# KiCad board vault35-katana-original.kicad_pcb (continued)
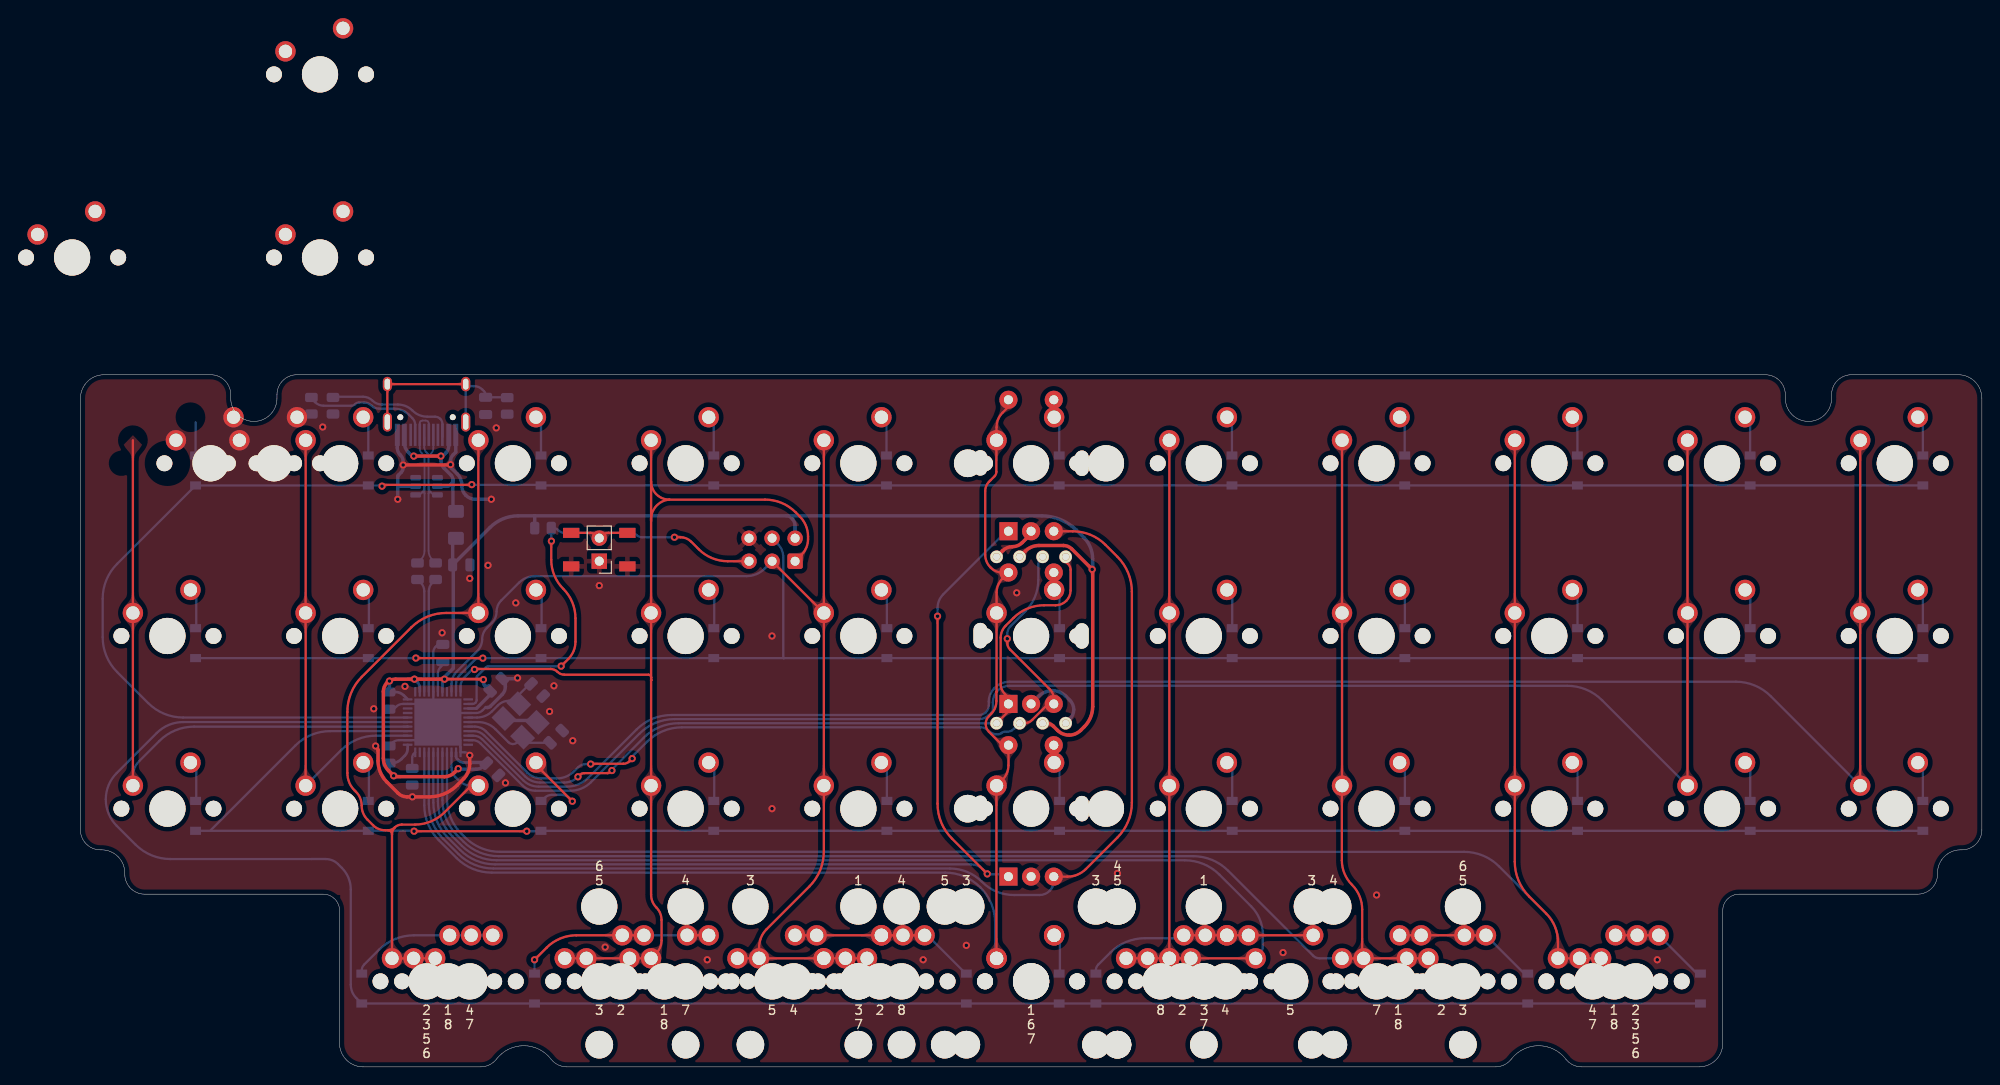
[diagram p0: board, top side]
## Routing (per net, layer and track width the routed paths; a pad name or vN(x,y) marks a point on that pad's centre or on a via; arc(x,y) is an arc through that point)
+5V: length 179.6
  Top w0.305: v1(40.15,42.77) 44.36,42.77 arc(44.39,42.76) 44.42,42.75 v1(44.44,42.72)
  Top w0.381: v1(40.15,42.77) v1(36.83,42.77) 34.76,42.77 arc(34.25,42.67) 33.81,42.37 arc(33.51,41.93) 33.41,41.41 33.41,34.05 arc(33.56,33.31) 33.98,32.68 v1(34.54,32.11) 34.59,32.06 arc(34.65,32.02) 34.71,32.01 40.16,32.01 arc(40.74,32.13) 41.23,32.45 v1(41.67,32.89) ; OL2.3 104.2,56.89 arc(104.89,57.35) 105.71,57.51 108.41,57.51 arc(108.91,57.42) 109.32,57.14 111.58,54.88 v1(111.58,54.88) 111.61,54.85 arc(111.63,54.82) 111.64,54.78 111.64,39.76 arc(111.4,38.55) 110.71,37.52 110.32,37.13 arc(109.73,36.73) 109.03,36.6 arc(108.34,36.73) 107.75,37.13 107.27,37.61 arc(106.94,37.83) 106.54,37.91
  Bottom w0.305: v1(36.83,42.77) 37.14,42.46 arc(37.35,42.15) 37.42,41.78 U2.2 ; C9.1 34.71,41.36 arc(35.24,41.25) 35.68,40.96 36.09,40.55 ; 36.09,35.52 36.09,35.08 arc(36,34.68) 35.78,34.33 35.39,33.95 arc(34.89,33.62) 34.31,33.5 ; v1(40.15,42.77) 40.04,42.66 arc(39.95,42.53) 39.92,42.38 U2.7 ; U2.24 41.42,34.27 arc(41.46,34.09) 41.56,33.94 41.67,33.83 arc(41.95,33.64) 42.28,33.58 42.97,33.58 ; 43.67,39.54 U2.14
  Bottom w0.381: v1(41.67,32.89) 41.69,32.87 arc(41.72,32.85) 41.76,32.84 43.64,32.84 arc(44.07,32.92) 44.44,33.17 ; 77.86,60.79 78.17,60.79 78.56,60.39 arc(78.74,60.07) 78.81,59.71 78.81,58.32 ; 43.69,39.56 45.18,41.05 ; 111.63,54.7 111.63,56.06 arc(111.38,57.32) 110.67,58.38 109.85,59.19 arc(108.09,60.37) 106.01,60.79 50.1,60.79 ; 44.38,33.58 42.93,33.58 ; v1(34.08,42.56) 34.08,41.42 ; 50.09,60.79 48.28,60.79 arc(46.6,60.45) 45.17,59.5 C5.1 41.05,57.93 ; 50.09,60.79 50.1,60.79 ; 50.09,60.79 arc(50.09,60.79) 50.1,60.78 ; R1.2 50.1,60.77 arc(50.1,60.78) 50.1,60.78 ; 40.15,42.9 v1(40.15,42.77) 40.15,42.88 arc(40.17,42.98) 40.23,43.07 41.1,43.94 ; v1(34.54,32.11) 34.28,32.37 arc(34.08,32.67) 34.02,33.01 34.02,33.48 ; C7.1 44.62,42.03 arc(44.49,42.23) 44.44,42.47 v1(44.44,42.72) ; 50.1,60.79 arc(50.1,60.79) 50.1,60.78 ; 41.12,55.31 41.12,43.99
GND: length 83.9
  Top w0.381: v1(35.59,66.4) 40.75,66.4 arc(40.78,66.4) 40.8,66.42 v1(40.82,66.44) ; v1(42.93,34.37) 42.93,33.41 arc(42.76,32.52) 42.26,31.77 41.56,31.08 arc(40.13,30.12) 38.44,29.78 v1(36.61,29.78) 36.02,29.78 arc(35.48,29.89) 35.02,30.2 33.79,31.43 arc(33.07,32.5) 32.82,33.76 32.82,34.94 arc(32.79,35.11) 32.69,35.26 v1(32.56,35.39) ; 104.85,58.81 103.87,57.83 arc(103.37,57.5) 102.79,57.38 arc(102.2,57.26) 101.71,56.93 OL2.4
  Bottom w0.254: 41.58,39.04 U2.15 43.63,39.04 arc(44.02,39.11) 44.36,39.34 44.66,39.64 ; 38.91,41.38 38.91,45.72 arc(38.98,46.06) 39.17,46.35 39.43,46.61 ; 37.42,40.04 U2.43 35.55,40.04 arc(35.16,39.96) 34.83,39.74 34.53,39.44 ; v1(42.93,34.37) 42.77,34.53 arc(42.59,34.66) 42.37,34.7 U2.23 41.92,35.27 arc(41.92,35.28) 41.91,35.3 arc(41.9,35.31) 41.9,35.33 41.9,35.99 arc(41.77,36.61) 41.42,37.14 ; 38.92,38.54 U2.5 ; 37.43,36.04 35.13,36.04 arc(34.7,35.95) 34.34,35.71
  Bottom w0.381: C7.2 48.07,42.82 arc(48.12,42.83) 48.16,42.86 v1(48.2,42.9) ; 104.85,40.03 105.7,40.89 arc(106.39,41.34) 107.19,41.5 arc(108,41.34) 108.68,40.89 109.12,40.45 arc(109.44,39.97) 109.55,39.41 arc(109.44,38.85) 109.12,38.37 OL1.4 ; 35,64.03 35,64.04 ; 35,64.03 v1(35,62.61) ; 35,64.03 arc(35,64.04) 35,64.04 ; 35,64.04 35,65.15 arc(35.01,65.2) 35.03,65.24 35.38,65.58 arc(35.53,65.82) 35.59,66.1 v1(35.59,66.4) 35.59,66.79 arc(35.52,67.15) 35.31,67.46 35.27,67.5 arc(35.03,67.86) 34.95,68.28 USB1.1 ; 35,64.04 arc(35,64.04) 35,64.04 ; U1.2 35.01,64.04 arc(35,64.04) 35,64.04 ; 47.76,38.22 50.18,38.22 ; v1(45.31,62.61) 43.55,62.61 arc(42.98,62.73) 42.5,63.05 arc(42.17,63.53) 42.06,64.1 42.06,64.2 arc(41.93,64.85) 41.56,65.41 40.92,66.04 arc(40.85,66.16) 40.82,66.29 v1(40.82,66.44) 40.82,66.84 arc(40.89,67.21) 41.1,67.52 41.39,67.8 ; 41.4,67.8 41.4,69.5 ; 44.72,39.64 44.9,39.64 arc(45.06,39.67) 45.2,39.77 46.51,41.07 arc(46.77,41.47) 46.86,41.93 46.86,42.43
  vias: v1(26.72,70.58) v1(32.35,39.5) v1(35.79,41.98) v1(39.89,47.88) v1(42.93,53.88) v1(44.95,55.33) v1(45.86,70.49) v1(46.87,31.33) v1(48.01,51.18) v1(51.74,39.2) v1(52.22,42.03) v1(54.29,35.98) v1(57.22,53.09) v1(57.87,13.21) v1(69.13,11.81) v1(76.27,47.53) v1(76.27,28.48) v1(92.94,11.81) v1(97.7,13.4) v1(103.26,52.29) v1(114.37,21.34) v1(132.63,12.61) v1(142.95,18.96) v1(173.9,11.81)
VCC: length 16.1
  Top w0.381: v1(36.76,67.38) v1(39.76,67.38)
  Bottom w0.381: U1.5 40.37,64.04 arc(40.64,64.1) 40.88,64.25 ; 40.62,69.5 40.62,68.52 arc(40.53,68.08) 40.29,67.71 40.02,67.44 arc(39.95,67.39) 39.86,67.38 v1(39.76,67.38) 39.76,66.88 arc(39.85,66.42) 40.11,66.03 40.87,65.27 arc(41.03,65.03) 41.08,64.76 41.08,64.76 ; 41.08,64.17 41.08,61.61 ; 41.08,64.17 41.08,64.76 ; 41.08,64.17 arc(41.01,64.28) 40.88,64.25 ; 41.08,64.76 arc(41.03,64.48) 40.88,64.25 ; v1(36.76,67.38) 36.67,67.38 arc(36.59,67.39) 36.52,67.44 36.15,67.81 arc(35.83,68.28) 35.72,68.85
col0: length 71.9
  Top w0.254: K_SPACE25.1 K_SPACE14.1 5.79,69.12
  Bottom w0.254: U2.38 36.08,37.53 arc(36.08,37.53) 36.08,37.53 12.54,37.53 arc(10.45,37.12) 8.69,35.94 6.5,33.75 arc(5.97,32.96) 5.79,32.03 K_SPACE25.1
col1: length 51.4
  Top w0.254: K_SPACE3.1 K_SPACE15.1 K_SPACE26.1
  Bottom w0.254: U2.36 32.6,36.54 arc(30.52,36.12) 28.76,34.94 K_SPACE26.1
col2: length 89.8
  Top w0.254: 33.92,26.1 33.59,26.1 arc(32.89,26.24) 32.29,26.64 31.65,27.27 arc(31.18,27.98) 31.02,28.81 arc(30.85,29.65) 30.38,30.35 30.23,30.5 arc(29.64,31.38) 29.44,32.41 29.44,39.18 arc(29.85,41.26) 31.03,43.02 36.49,48.48 arc(38.25,49.66) 40.34,50.07 K_SPACE16.1 K_SPACE4.1 ; 33.92,26.1 arc(34.23,25.97) 34.36,25.66 ; 33.92,26.1 arc(34.33,26.18) 34.67,26.41 ; 43.09,31.02 40.14,28.07 arc(38.65,27.08) 36.89,26.73 35.43,26.73 arc(35.02,26.65) 34.67,26.41 ; K_SPACE57.1 K_SPACE38.1 K_SPACE50.1 34.36,25.66 ; 34.36,25.66 arc(34.44,26.07) 34.67,26.41
  Bottom w0.254: U2.25 40.92,33.02 arc(41.04,32.44) 41.37,31.95 41.73,31.59 arc(42.35,31.17) 43.09,31.02
col3: length 117.1
  Top w0.25: 63.51,12.55 arc(63.94,13.19) 64.09,13.94 64.09,16.2 arc(63.94,16.95) 63.51,17.59
  Top w0.254: 62.94,64.57 K_SPACE5.1 ; 62.94,64.57 62.94,60.23 ; 62.94,64.57 arc(63.52,63.16) 64.94,62.57 ; 62.94,60.23 K_SPACE17#2.1 62.94,42.66 ; 62.94,60.23 arc(63.52,61.89) 64.94,62.57 ; 62.94,42.66 62.94,42.65 ; 62.94,42.66 arc(62.94,42.66) 62.94,42.66 ; v1(43.46,43.84) 43.51,43.9 ; K_SPACE58.1 K_SPACE39.1 K_SPACE44.1 K_SPACE51.1 ; J1.1 79.53,56.49 arc(80.06,57.28) 80.24,58.22 80.24,58.51 arc(80.01,59.71) 79.33,60.72 78.86,61.19 arc(77.33,62.21) 75.52,62.57 64.94,62.57 ; 62.94,42.65 K_SPACE28.1 62.94,18.98 arc(63.09,18.23) 63.51,17.59 ; 62.94,42.65 arc(62.94,42.65) 62.94,42.66 ; 43.51,43.89 51.85,43.89 arc(52.26,43.81) 52.61,43.58 arc(52.96,43.34) 53.38,43.26 62.64,43.26 arc(62.86,43.17) 62.94,42.96 62.94,42.67 arc(62.94,42.66) 62.94,42.66
  Bottom w0.254: v1(43.46,43.84) 43.33,43.84 arc(43.22,43.81) 43.12,43.75 42.34,42.97 arc(42.03,42.51) 41.92,41.96 U2.11
col4: length 125.5
  Top w0.254: K_SPACE48.1 74.84,13.16 arc(75.06,14.26) 75.68,15.2 80.39,19.9 arc(81.57,21.67) 81.99,23.75 K_SPACE29.1 K_SPACE18.1 ; K_SPACE48.1 K_SPACE52.1 K_SPACE45.1 K_SPACE36.1 ; K_SPACE48.1 K_SPACE40.1 ; K_SPACE18.1 K_SPACE6#2.1 ; K_SPACE18.1 76.28,55.78
  Bottom w0.254: J1.3 75.45,54.96 arc(74.54,54.35) 73.47,54.14 50.12,54.14 arc(49.17,53.95) 48.37,53.41 46.4,51.45 arc(46.03,50.88) 45.89,50.22 arc(45.76,49.55) 45.39,48.99 44.83,48.43 arc(44.44,47.85) 44.3,47.16 arc(44.16,46.47) 43.77,45.88 41.51,43.62 arc(41.08,42.97) 40.92,42.2 U2.9
col5: length 143.3
  Top w0.25: 102.35,72.81 101.69,72.16 arc(101.21,71.43) 101.04,70.58 K_SPACE6.1 ; 101.02,69.1 101.02,65.65 arc(100.96,65.38) 100.81,65.14 100.39,64.73
  Top w0.254: 100.39,64.73 100.19,64.53 arc(99.89,64.07) 99.78,63.54 99.78,56.5 arc(99.93,55.75) 100.36,55.11 100.43,55.04 arc(100.99,54.67) 101.64,54.54 ; 101.02,31.01 101.02,11.99 ; 101.67,35.49 100.2,36.96 arc(99.93,37.36) 99.84,37.83 arc(99.93,38.29) 100.2,38.69 100.43,38.92 arc(100.87,39.58) 101.02,40.35 101.02,41.33 arc(101.02,41.34) 101.03,41.35 arc(101.03,41.36) 101.04,41.37 K_SPACE17.1 101.04,52.3 arc(101.21,53.15) 101.69,53.88 102.35,54.53 ; SW4.S2 102.35,33.26 arc(102.18,32.4) 101.69,31.68
  Bottom w0.25: 100.88,15.91 100.88,12.13
  Bottom w0.254: U2.31 37.92,28.86 arc(38.34,26.77) 39.52,25.01 41.5,23.02 arc(43.27,21.84) 45.35,21.43 95.36,21.43 arc(97.44,21.02) 99.21,19.84 99.28,19.76 arc(100.46,17.99) 100.88,15.91
col6: length 177.7
  Top w0.254: K_SPACE61.1 K_SPACE49.1 K_SPACE41.1 ; K_SPACE61.1 K_SPACE31.1 K_SPACE19.1 K_SPACE7.1 ; K_SPACE61.1 K_SPACE46.1 K_SPACE37.1
  Bottom w0.254: U2.28 39.42,29.28 arc(39.84,27.2) 41.02,25.43 42.07,24.38 arc(43.83,23.2) 45.91,22.79 121.78,22.79 arc(123.86,22.38) 125.63,21.2 129.11,17.72 arc(130.06,16.28) 130.4,14.59 130.4,13.32 arc(130.3,12.8) 130.01,12.37
col7: length 179.4
  Top w0.25: K_SPACE54.1 K_SPACE47.1 K_SPACE42.1 K_SPACE62.1 ; 141.36,12.13 141.36,17.37 arc(141.07,18.84) 140.24,20.08 arc(139.41,21.32) 139.12,22.79 139.12,31
  Top w0.254: K_SPACE32.1 K_SPACE20.1 K_SPACE8.1
  Bottom w0.25: 136.66,11.97 K_SPACE62.1
  Bottom w0.254: U2.27 39.92,29.42 arc(40.34,27.34) 41.52,25.57 42.25,24.84 arc(44.02,23.66) 46.1,23.24 122.71,23.24 arc(124.8,22.83) 126.56,21.65 135.95,12.27 arc(136.27,12.05) 136.66,11.97
col8: length 201
  Top w0.25: K_SPACE9.1 K_SPACE21.1 K_SPACE33.1 158.19,22.64 arc(158.6,20.56) 159.78,18.79 161.66,16.91 arc(162.61,15.48) 162.95,13.8 K_SPACE63.1 K_SPACE43.1 K_SPACE55.1
  Bottom w0.25: K_SPACE63.1 162.95,13.8 arc(162.61,15.48) 161.66,16.91 156.45,22.13 arc(154.68,23.31) 152.6,23.72 123.14,23.72
  Bottom w0.254: U2.26 40.42,29.56 arc(40.84,27.48) 42.02,25.72 42.42,25.31 arc(44.18,24.13) 46.27,23.72 123.14,23.72
col9: length 184.3
  Top w0.254: K_SPACE34.1 K_SPACE22.1 K_SPACE10.1
  Bottom w0.25: 100.62,39.25 100.62,40.2 arc(100.76,40.91) 101.16,41.5 arc(101.76,41.9) 102.46,42.04 163.97,42.04 arc(166.05,41.62) 167.82,40.44 K_SPACE34.1
  Bottom w0.254: U2.21 43.27,36.04 arc(43.73,35.94) 44.13,35.68 48.76,31.04 arc(49.41,30.61) 50.17,30.46 54.04,30.46 arc(55.26,30.7) 56.29,31.39 61.67,36.77 arc(63.43,37.95) 65.51,38.36 99.12,38.36 arc(99.69,38.48) 100.18,38.8 100.62,39.24 arc(100.62,39.25) 100.62,39.25
col10: length 203.4
  Top w0.254: K_SPACE35.1 K_SPACE23.1 K_SPACE11.1
  Bottom w0.25: U2.20 43.34,36.54 arc(43.87,36.43) 44.32,36.13 48.83,31.61 arc(49.61,31.1) 50.52,30.91 53.65,30.91 arc(54.93,31.17) 56.01,31.89 61.34,37.22 arc(63.11,38.4) 65.19,38.81 99.12,38.81 arc(99.52,38.89) 99.86,39.12 arc(100.09,39.47) 100.18,39.87 100.18,40.29 arc(100.33,41.08) 100.78,41.76 100.84,41.82 arc(101.58,42.31) 102.46,42.49 182.57,42.49 arc(184.65,42.07) 186.42,40.89 K_SPACE35.1
D+: length 17.7
  Bottom w0.2: 37.92,69.5 37.92,68.36 arc(37.98,68.05) 38.16,67.79 38.33,67.61 arc(38.38,67.54) 38.4,67.46 ; 38.66,63.36 38.93,63.09 ; 38.66,63.36 arc(38.49,63.4) 38.4,63.25 ; 38.66,63.36 arc(38.47,63.66) 38.4,64.01 ; 38.46,67.44 38.66,67.64 arc(38.85,67.93) 38.92,68.27 38.92,69.5 ; 38.46,67.44 arc(38.42,67.43) 38.4,67.46 ; 38.46,67.44 arc(38.41,67.37) 38.4,67.29 ; 38.4,67.29 38.4,67.46 ; 38.4,67.29 38.4,64.01 ; 38.4,64.01 38.4,63.25 ; 38.4,63.25 38.4,56.91 arc(38.5,56.41) 38.78,55.98
D-: length 19.6
  Bottom w0.2: 37.95,64.01 37.95,63.25 ; 37.95,64.01 37.95,67 arc(37.88,67.35) 37.68,67.64 arc(37.49,67.93) 37.42,68.27 37.42,71 arc(37.44,71.11) 37.51,71.21 arc(37.61,71.27) 37.72,71.3 38.08,71.3 arc(38.21,71.27) 38.32,71.2 arc(38.4,71.09) 38.42,70.96 38.42,69.5 ; 37.95,64.01 arc(37.88,63.66) 37.68,63.36 ; 37.95,63.25 37.95,56.91 arc(37.85,56.41) 37.56,55.98 ; 37.95,63.25 arc(37.85,63.4) 37.68,63.36 ; 37.68,63.36 37.41,63.09
encA: length 115.9
  Top w0.254: v1(100.01,21.29) 96.12,25.18 arc(94.94,26.94) 94.53,29.03 v1(94.53,49.71)
  Bottom w0.254: U2.29 38.92,29.14 arc(39.34,27.06) 40.52,25.29 41.88,23.93 arc(43.64,22.75) 45.73,22.34 98.22,22.34 arc(98.91,22.2) 99.49,21.81 v1(100.01,21.29) ; 99.95,21.23 102.35,21.23 ; 102.11,59.08 95.16,52.13 arc(94.69,51.43) 94.53,50.61 v1(94.53,49.71)
encB: length 128.2
  Top w0.254: 107.35,59.08 109.45,59.08 arc(111.39,58.69) 113.04,57.59 114.36,56.27 arc(115.54,54.5) 115.96,52.42 115.96,29.15 arc(115.54,27.07) 114.36,25.3 110.89,21.82 arc(109.96,21.2) 108.86,20.98 107.67,20.98
  Bottom w0.254: U2.30 38.42,29 arc(38.84,26.92) 40.02,25.15 41.69,23.48 arc(43.46,22.3) 45.54,21.88 95.88,21.88 arc(97.79,21.5) 99.41,20.42 arc(101.03,19.34) 102.95,18.96 105.79,18.96 arc(106.38,19.08) 106.89,19.41 arc(107.23,19.92) 107.35,20.52
row0: length 249.4
  Top w0.25: v1(43.16,64.23) 43.14,64.22 arc(43.13,64.2) 43.11,64.2 33.5,64.2 arc(33.41,64.18) 33.33,64.13 v1(33.26,64.06)
  Bottom w0.25: v1(33.26,64.06) 33.22,64.1 arc(33.18,64.13) 33.12,64.14 D_SPACE2.1 D_SPACE1.1 4.05,55.49 arc(2.87,53.72) 2.45,51.64 2.45,47.4 arc(2.87,45.32) 4.05,43.56 7.47,40.13 arc(9.24,38.95) 11.32,38.54 U2.40 ; 50.72,64.2 43.21,64.2 arc(43.19,64.2) 43.17,64.22 v1(43.16,64.23)
  Bottom w0.254: D_SPACE10.1 D_SPACE9.1 D_SPACE8.1 D_SPACE7.1 D_SPACE6.1 D_SPACE6#2.1 D_SPACE5.1 D_SPACE4.1 D_SPACE3.1
row1: length 209.6
  Top w0.254: v1(44.38,45.09) 37,45.09
  Bottom w0.25: 12.77,45.09 31.81,45.09
  Bottom w0.254: v1(44.38,45.09) D_SPACE13.1 D_SPACE14.1 77.53,45.09 ; 77.59,45.09 77.53,45.09 ; 77.59,45.09 D_SPACE15.1 D_SPACE17.1 D_SPACE16.1 D_SPACE17#2.1 D_SPACE18.1 D_SPACE19.1 D_SPACE20.1 ; 77.59,45.09 arc(77.56,45.09) 77.54,45.11 ; 77.53,45.09 arc(77.54,45.1) 77.54,45.11 ; J1.4 76.9,57.7 arc(77.35,57.01) 77.51,56.2 77.51,45.17 arc(77.52,45.14) 77.54,45.11 ; 44.49,45.1 44.09,45.1 arc(43.72,45.02) 43.4,44.81 41.94,43.35 arc(41.56,42.78) 41.42,42.1 U2.10 ; D_SPACE12.1 36.98,45.09 arc(36.98,45.09) 36.99,45.09 v1(36.99,45.1)
row2: length 216.4
  Top w0.254: v1(36.79,26) 36.8,26 arc(36.8,26) 36.8,25.99 49.22,25.99 arc(49.22,26) 49.23,26 v1(49.23,26)
  Bottom w0.25: 12.77,26.04 36.73,26.04 arc(36.75,26.03) 36.77,26.02 v1(36.79,26)
  Bottom w0.254: 14.36,26.1 23.7,35.44 arc(25.47,36.62) 27.55,37.04 U2.37 ; v1(49.23,26) 50.76,26 ; 50.8,26.04 203.19,26.04
row3: length 230.4
  Bottom w0.25: 25.47,22.93 9.92,22.93 arc(7.84,23.34) 6.08,24.52 4,26.59 arc(3.11,27.93) 2.8,29.5 arc(3.11,31.08) 4,32.41 6.01,34.42
  Bottom w0.254: 6.01,34.42 8.42,36.83 arc(9.75,37.72) 11.33,38.04 U2.39 ; 25.47,22.93 27.06,22.93 arc(27.79,22.78) 28.41,22.36 28.83,21.94 arc(29.56,20.86) 29.82,19.57 29.82,9.06 arc(29.97,8.27) 30.42,7.59 D_SPACE32.1 D_SPACE33.1 D_SPACE34.1 D_SPACE35.1 D_SPACE36.1 D_SPACE37.1 D_SPACE38.1
RST: length 55.8
  Top w0.254: v1(65.51,58.42) 66.19,58.42 arc(66.81,58.3) 67.35,57.94 68.19,57.1 arc(69.66,56.12) 71.39,55.78 73.73,55.78 ; v1(51.94,58) 51.93,57.99 arc(51.92,57.98) 51.92,57.97 51.92,55.95 arc(52.27,54.21) 53.26,52.73 arc(54.25,51.25) 54.59,49.5 54.59,46.91 arc(54.39,45.87) 53.8,45 v1(53.01,44.21) ; SW1.2 58.22,58.91 arc(57.84,58.83) 57.51,58.61 ; SW1.2 56.22,58.91 arc(56.6,58.83) 56.93,58.61
  Bottom w0.254: R1.1 51.93,58.02 arc(51.93,58.01) 51.93,58 v1(51.94,58) ; v1(53.01,44.21) 53,44.19 arc(52.98,44.18) 52.96,44.18 45,44.18 ; 54.69,58.91 56.22,58.91 arc(56.6,58.83) 56.93,58.61 ; U2.13 43.26,40.04 arc(43.42,40.07) 43.57,40.16 arc(43.66,40.31) 43.69,40.47 43.69,43.01 arc(43.7,43.05) 43.72,43.08 43.75,43.11 arc(43.76,43.11) 43.76,43.11 arc(43.76,43.11) 43.76,43.11 44.18,43.54 arc(44.18,43.54) 44.18,43.54 arc(44.18,43.54) 44.18,43.54 44.72,44.07 arc(44.83,44.15) 44.96,44.17 ; 59.93,58.91 58.22,58.91 arc(57.84,58.83) 57.51,58.61 ; v1(65.51,58.43) 61.93,58.43 arc(61.61,58.49) 61.35,58.67 arc(61.08,58.84) 60.76,58.91 ; 53.35,58.91 arc(53.01,58.98) 52.72,59.17 52.65,59.24 arc(52.44,59.38) 52.19,59.43
SCL: length 87.7
  Top w0.254: v1(56.27,33.4) 56.29,33.42 arc(56.3,33.43) 56.33,33.44 59.87,33.44 arc(60.25,33.51) 60.56,33.72 v1(60.85,34.01) ; v1(102.22,47.23) 102.22,46.79 arc(102.3,46.38) 102.53,46.03 106.93,41.63 arc(107.24,41.17) 107.35,40.62 ; 106.72,40.03 104.96,38.27 arc(104.56,38) 104.09,37.91
  Bottom w0.254: U2.18 43.48,37.54 arc(44.14,37.4) 44.71,37.03 49.28,32.45 arc(49.98,31.98) 50.81,31.82 52.54,31.82 arc(53.57,32.02) 54.45,32.61 54.88,33.04 arc(55.28,33.31) 55.76,33.4 v1(56.27,33.4) ; v1(60.85,34.01) 60.85,34.12 arc(60.87,34.22) 60.93,34.3 62.48,35.86 arc(64.25,37.04) 66.33,37.46 99.26,37.46 arc(99.75,37.36) 100.17,37.08 100.24,37.01 arc(100.59,36.78) 101,36.7 101.25,36.7 arc(101.43,36.73) 101.57,36.83 arc(101.72,36.93) 101.89,36.96 102.17,36.96 arc(102.59,37.05) 102.96,37.29 OL1.2 ; v1(102.22,47.23) 102.22,47.74 arc(102.31,48.22) 102.58,48.62 104.19,50.23 arc(105.26,51.83) 105.64,53.73 105.64,55.45 arc(105.7,55.76) 105.88,56.03
SDA: length 85.3
  Top w0.254: 102.35,40.74 101.92,41.17 arc(101.6,41.64) 101.49,42.2 101.49,47.33 arc(101.63,48.05) 102.04,48.66 102.9,49.53 arc(104.45,50.56) 106.27,50.92 107.55,50.92 arc(108.18,51.05) 108.72,51.4 arc(109.08,51.94) 109.2,52.57 109.2,54.83 arc(109.13,55.18) 108.93,55.48 108.66,55.76 ; 102.35,39.22 OL1.1 ; v1(58.62,32.69) 58.47,32.55 arc(58.31,32.44) 58.12,32.4 55.56,32.4 arc(55.3,32.35) 55.07,32.2 v1(54.87,32)
  Bottom w0.254: U2.19 43.4,37.04 arc(44,36.92) 44.5,36.58 49.03,32.05 arc(49.79,31.54) 50.69,31.36 53.34,31.36 arc(54.17,31.53) v1(54.87,32) ; OL1.1 65.98,37.91 arc(63.89,37.49) 62.13,36.32 58.66,32.84 arc(58.63,32.8) 58.62,32.75 v1(58.62,32.69)
Net-(D_SPACE1-A): length 3.7
  Bottom w0.254: 12.7,71.1 12.7,67.44
Net-(D_SPACE2-A): length 3.7
  Bottom w0.254: 31.75,67.44 31.75,71.1
Net-(D_SPACE3-A): length 3.7
  Bottom w0.254: 50.8,67.44 50.8,71.1
Net-(D_SPACE4-A): length 3.7
  Bottom w0.254: 69.85,67.44 69.85,71.1
Net-(D_SPACE5-A): length 3.7
  Bottom w0.254: 88.9,67.44 88.9,71.1
Net-(D_SPACE6-A): length 3.7
  Bottom w0.254: 127,67.44 127,71.1
Net-(D_SPACE6-Pad2): length 5.8
  Bottom w0.254: 107.95,67.44 107.95,71.1 ; K_SPACE6.2 107.39,73.79
Net-(D_SPACE7-A): length 3.7
  Bottom w0.254: 146.04,67.44 146.04,71.1
Net-(D_SPACE8-A): length 3.7
  Bottom w0.254: 165.09,67.44 165.09,71.1
Net-(D_SPACE9-A): length 3.7
  Bottom w0.254: 184.14,67.44 184.14,71.1
Net-(D_SPACE10-A): length 3.7
  Bottom w0.254: 203.19,67.44 203.19,71.11
Net-(D_SPACE11-A): length 3.6
  Bottom w0.254: 12.77,48.39 12.77,51.98
Net-(D_SPACE12-A): length 3.6
  Bottom w0.254: 31.81,48.39 31.81,51.99
Net-(D_SPACE13-A): length 3.6
  Bottom w0.254: 50.86,48.39 50.86,51.99
Net-(D_SPACE14-A): length 3.6
  Bottom w0.254: 69.9,48.39 69.9,52
Net-(D_SPACE15-A): length 3.6
  Bottom w0.254: 88.94,48.39 88.94,52.01
Net-(D_SPACE16-A): length 3.6
  Bottom w0.254: 127.02,48.39 127.02,52.02
Net-(D_SPACE17-A): length 3.6
  Bottom w0.254: 146.07,48.39 146.07,52.03
Net-(D_SPACE17-Pad2): length 5.8
  Bottom w0.254: 107.98,48.39 107.98,52.02 ; K_SPACE17.2 107.39,54.74
Net-(D_SPACE18-A): length 3.7
  Bottom w0.254: 165.11,48.39 165.11,52.04
Net-(D_SPACE19-A): length 3.7
  Bottom w0.254: 184.15,48.39 184.15,52.05
Net-(D_SPACE20-A): length 3.7
  Bottom w0.254: 203.19,48.39 203.19,52.06
Net-(D_SPACE21-A): length 3.6
  Bottom w0.254: 12.77,29.34 12.77,32.93
Net-(D_SPACE22-A): length 3.6
  Bottom w0.254: 31.81,29.34 31.81,32.94
Net-(D_SPACE23-A): length 8.8
  Top w0.254: v1(54.25,29.3) 50.96,32.59 arc(50.89,32.69) 50.87,32.8
  Bottom w0.254: v1(54.25,29.3) 53.9,29.65 arc(53.5,29.92) 53.04,30.01 52,30.01 arc(51.56,29.92) 51.19,29.67 50.86,29.34
Net-(D_SPACE24-A): length 3.6
  Bottom w0.254: 69.9,29.34 69.9,32.95
Net-(D_SPACE25-A): length 3.6
  Bottom w0.254: D_SPACE25.2 88.94,32.96
Net-(D_SPACE26-A): length 5.8
  Bottom w0.254: D_SPACE26.2 107.98,32.97 ; K_SPACE30.2 107.39,35.69
Net-(D_SPACE27-A): length 3.6
  Bottom w0.254: D_SPACE27.2 127.02,32.97
Net-(D_SPACE28-A): length 3.6
  Bottom w0.254: D_SPACE28.2 146.07,32.98
Net-(D_SPACE29-A): length 3.7
  Bottom w0.254: D_SPACE29.2 165.11,32.99
Net-(D_SPACE30-A): length 3.7
  Bottom w0.254: D_SPACE30.2 184.15,33
Net-(D_SPACE31-A): length 3.7
  Bottom w0.254: D_SPACE31.2 203.19,33.01
Net-(D_SPACE32-A): length 16.4
  Bottom w0.254: K_SPACE57.2 K_SPACE38.2 K_SPACE50.2 36.77,14.51 arc(34.69,14.1) 32.93,12.92 31.29,11.28 arc(31.09,10.99) 31.03,10.65 D_SPACE32.2
Net-(D_SPACE33-A): length 21.7
  Top w0.254: K_SPACE44.2 K_SPACE51.2 54.68,14.51 arc(52.92,14.16) 51.43,13.16 v1(50.08,11.81) ; K_SPACE39.2 K_SPACE58.2
  Bottom w0.254: v1(50.08,11.81) D_SPACE33.2 ; K_SPACE44.2 K_SPACE39.2
Net-(D_SPACE34-A): length 20.3
  Top w0.254: K_SPACE40.2 K_SPACE48.2 K_SPACE52.2 K_SPACE45.2 K_SPACE36.2
  Bottom w0.254: 93.42,14.51 97.64,10.29
Net-(D_SPACE35-A): length 3.6
  Bottom w0.254: 108.02,13.88 108.02,10.29
Net-(D_SPACE36-A): length 25.4
  Top w0.254: K_SPACE37.2 K_SPACE46.2 K_SPACE61.2 K_SPACE49.2 K_SPACE41.2
  Bottom w0.254: D_SPACE36.2 111.99,10.65 arc(112.06,10.99) 112.25,11.28 113.58,12.61 arc(115.34,13.78) 117.41,14.19 121.36,14.19
Net-(D_SPACE37-A): length 15.5
  Top w0.254: K_SPACE62.2 K_SPACE42.2 K_SPACE47.2 K_SPACE54.2
  Bottom w0.254: K_SPACE54.2 159.23,10.29
Net-(D_SPACE38-A): length 10.7
  Top w0.254: 169.3,14.51 K_SPACE43.2 K_SPACE55.2
  Bottom w0.254: K_SPACE55.2 178.28,10.29
Net-(U2-D+): length 12.1
  Bottom w0.254: U2.4 38.42,52.49 arc(38.52,52.98) 38.8,53.39
Net-(U2-D-): length 12.1
  Bottom w0.254: U2.3 37.92,52.48 arc(37.83,52.97) 37.55,53.39
Net-(U2-UCAP): length 3.2
  Bottom w0.254: 40,44.39 39.71,44.1 arc(39.5,43.78) 39.42,43.4 U2.6
Net-(U2-XTAL1): length 9.5
  Bottom w0.254: X1.1 48.2,35.82 arc(47.97,35.67) 47.7,35.61 arc(47.43,35.67) 47.2,35.82 45.77,37.25 arc(44.9,37.83) 43.87,38.04 U2.17 ; 49.39,35.75 C1.1
Net-(U2-XTAL2): length 7.6
  Bottom w0.254: 48,40.39 47.28,40.39 arc(46.61,40.26) 46.04,39.88 45.39,39.22 arc(44.63,38.71) 43.73,38.54 U2.16 ; 48.34,41.03 49.55,42.25
Net-(U2-~{HWB}/PE2): length 1.9
  Bottom w0.254: R2.2 36.59,34.13 arc(36.63,34.35) 36.76,34.53 U2.33
Net-(USB1-CC1): length 12.9
  Bottom w0.254: 25.47,73.73 25.87,73.33 arc(26.31,73.04) 26.83,72.93 29.86,72.93 arc(30.1,72.98) 30.3,73.11 arc(30.5,73.25) 30.73,73.29 31.29,73.29 arc(31.73,73.2) 32.11,72.95 arc(32.49,72.7) 32.93,72.61 34.59,72.61 arc(35.48,72.43) 36.24,71.93 36.61,71.56 arc(36.84,71.21) 36.92,70.81
Net-(USB1-CC2): length 14.5
  Bottom w0.254: 39.92,69.5 39.92,70.91 arc(39.86,71.22) 39.68,71.49 arc(39.42,71.66) 39.11,71.72 38.24,71.72 arc(37.37,71.9) 36.62,72.39 arc(35.88,72.89) 35.01,73.06 33.25,73.06 arc(32.68,73.18) 32.21,73.49 arc(31.73,73.81) 31.17,73.92 27.93,73.92
Net-(USB1-SHIELD): length 21.8
  Top w0.254: USB1.13 USB1.13 ; 33.85,70.91 33.85,75.09
  Bottom w0.254: USB1.13 USB1.13 ; 44.93,73.86 47.03,73.86 ; 42.49,75.09 43.42,75.09 arc(43.91,75) 44.32,74.73 44.51,74.53 arc(44.64,74.34) 44.68,74.11

## Copper pours and planes (outline as drawn; the poured copper is in the pictures)
+5V on Top: 107.53,37.62 107.41,37.73 107.31,37.83 107.22,37.9 107.13,37.97 106.97,38.09 106.89,38.15 106.81,38.22 106.71,38.3 106.61,38.4 105.77,37.96 106.33,37.24 106.44,37.29 106.55,37.34 106.64,37.38 106.73,37.43 106.82,37.47 106.9,37.49 106.99,37.49 107.08,37.47 107.17,37.43 107.26,37.35
+5V on Top: 104.68,57.46 104.5,57.38 104.35,57.31 104.22,57.25 104.1,57.2 103.99,57.15 103.88,57.11 103.77,57.07 103.35,56.92 103.33,56.02 104.24,56.03 104.28,56.18 104.31,56.32 104.34,56.44 104.37,56.56 104.4,56.67 104.44,56.77 104.5,56.86 104.59,56.95 104.7,57.04 104.85,57.12
+5V on Bottom: 35.26,41.41 35.12,41.46 34.99,41.51 34.71,41.6 34.63,41.63 34.54,41.67 34.45,41.71 34.35,41.75 34.23,41.81 33.76,41.36 34.23,40.91 34.33,40.96 34.42,41.01 34.51,41.06 34.58,41.11 34.66,41.14 34.74,41.17 34.82,41.18 34.92,41.18 35.03,41.16 35.15,41.12
+5V on Bottom: 41.24,56.98 41.25,57.11 41.27,57.21 41.3,57.3 41.34,57.37 41.4,57.43 41.46,57.49 41.54,57.54 41.62,57.59 41.71,57.64 41.81,57.7 41.6,58.61 40.71,58.3 40.71,58.14 40.72,58.01 40.74,57.89 40.76,57.78 40.8,57.57 40.83,57.45 40.84,57.32 40.85,57.16 40.86,56.98
+5V on Bottom: 44.89,40.49 45.53,41.12 45.22,41.72 44.7,41.32 44.74,41.2 44.76,41.14 44.76,41.08 44.77,41.03 44.76,40.98 44.74,40.93 44.71,40.87 44.67,40.82 44.62,40.76
+5V on Bottom: 33.89,42.35 33.89,42.25 33.88,42.16 33.86,42.08 33.84,42.01 33.81,41.95 33.78,41.89 33.74,41.83 33.65,41.71 33.6,41.63 33.98,41.11 34.49,41.51 34.45,41.61 34.42,41.69 34.36,41.83 34.34,41.9 34.31,41.97 34.3,42.05 34.28,42.13 34.27,42.23 34.27,42.35
+5V on Bottom: 43.77,33.39 43.87,33.39 43.96,33.38 44.04,33.36 44.11,33.34 44.17,33.31 44.23,33.28 44.28,33.24 44.41,33.14 44.48,33.09 45.01,33.46 44.62,33.98 44.52,33.95 44.44,33.92 44.3,33.86 44.23,33.83 44.16,33.81 44.08,33.79 43.99,33.78 43.89,33.77 43.77,33.77
+5V on Bottom: 40.86,56.37 40.86,56.25 40.85,56.16 40.83,56.08 40.81,56.01 40.78,55.94 40.75,55.88 40.64,55.68 40.6,55.59 41.05,55.13 41.5,55.59 41.46,55.68 41.34,55.88 41.31,55.94 41.29,56.01 41.27,56.08 41.25,56.16 41.24,56.25 41.24,56.37
+5V on Bottom: 44.25,42.49 44.26,42.34 44.29,42.22 44.34,42.12 44.4,42.04 44.47,41.96 44.53,41.88 44.59,41.81 44.64,41.72 44.67,41.62 44.68,41.49 45.36,41.3 45.34,41.95 45.24,41.98 45.03,42.03 44.94,42.06 44.85,42.09 44.78,42.14 44.71,42.19 44.67,42.27 44.64,42.36 44.63,42.48
+5V on Bottom: 49.91,60.45 49.91,60.34 49.9,60.24 49.88,60.16 49.86,60.08 49.83,60.02 49.8,59.95 49.69,59.74 49.64,59.65 50.1,59.17 50.56,59.65 50.52,59.74 50.4,59.95 50.37,60.02 50.34,60.08 50.32,60.16 50.31,60.24 50.3,60.34 50.29,60.45
+5V on Bottom: 41.61,56.21 41.53,56.13 41.46,56.07 41.39,56.03 41.33,55.99 41.26,55.96 41.2,55.94 40.98,55.88 40.88,55.85 40.87,55.2 41.52,55.21 41.55,55.3 41.61,55.53 41.64,55.59 41.66,55.65 41.7,55.72 41.75,55.79 41.81,55.86 41.88,55.94
+5V on Bottom: 34.94,33.8 34.85,33.76 34.77,33.75 34.7,33.74 34.63,33.75 34.57,33.78 34.51,33.81 34.38,33.89 34.3,33.93 34.22,33.97 33.78,33.49 34.28,33.07 34.38,33.12 34.46,33.17 34.79,33.38 34.87,33.42 34.97,33.47 35.08,33.53
+5V on Bottom: 34.32,32.63 34.27,32.71 34.25,32.78 34.25,32.85 34.26,32.91 34.28,32.96 34.31,33.02 34.35,33.08 34.39,33.14 34.44,33.2 34.48,33.27 34.04,33.75 33.61,33.24 33.66,33.15 33.7,33.07 33.74,32.99 33.76,32.92 33.81,32.78 33.84,32.71 33.88,32.63 33.93,32.53 33.99,32.43
+5V on Bottom: 78.36,60.34 78.5,60.17 78.58,60 78.61,59.84 78.59,59.69 78.54,59.53 78.46,59.38 78.36,59.22 78.26,59.05 78.15,58.87 78.05,58.68 78.82,57.89 79.42,58.91 79.28,59.08 79.19,59.25 79.12,59.41 79.09,59.57 79.06,59.73 79.03,59.89 78.98,60.06 78.91,60.23 78.79,60.41 78.63,60.61
+5V on Bottom: 41.31,54.38 41.31,54.5 41.32,54.6 41.34,54.69 41.35,54.76 41.38,54.83 41.4,54.9 41.46,55.04 41.49,55.13 41.52,55.22 41.01,55.62 40.63,55.1 40.69,55.02 40.78,54.9 40.82,54.84 40.85,54.78 40.88,54.72 40.9,54.65 40.92,54.57 40.93,54.48 40.93,54.38
GND on Top: 209.62,18.96 181.84,18.96 181.84,-0.09 28.65,-0.09 28.65,18.96 0.07,18.96 0.07,76.11 209.62,76.11
GND on Bottom: 209.62,18.96 181.84,18.96 181.84,-0.09 28.65,-0.09 28.65,18.96 0.07,18.96 0.07,76.11 209.62,76.11
VCC on Bottom: 40.34,68.12 40.3,68.03 40.25,67.96 40.21,67.91 40.16,67.86 40.1,67.83 40.04,67.81 39.98,67.79 39.91,67.78 39.84,67.78 39.76,67.78 39.58,67.29 40.12,67.21 40.17,67.3 40.22,67.38 40.28,67.44 40.33,67.5 40.45,67.61 40.51,67.67 40.57,67.75 40.63,67.84 40.69,67.96
VCC on Bottom: 35.75,68.03 35.82,67.9 35.9,67.8 35.97,67.71 36.03,67.64 36.16,67.51 36.22,67.44 36.28,67.37 36.35,67.28 36.41,67.18 36.94,67.29 36.77,67.78 36.67,67.78 36.59,67.79 36.51,67.81 36.44,67.83 36.37,67.87 36.31,67.91 36.25,67.97 36.19,68.04 36.14,68.12 36.08,68.22
VCC on Bottom: 40.89,62.62 40.89,62.44 40.87,62.28 40.85,62.14 40.83,62.03 40.77,61.81 40.75,61.7 40.73,61.58 40.71,61.44 40.71,61.28 41.58,60.96 41.84,61.85 41.74,61.92 41.57,62.04 41.5,62.09 41.43,62.15 41.38,62.22 41.33,62.29 41.3,62.38 41.28,62.49 41.28,62.62
col0 on Top: 5.66,33.27 5.64,33 5.6,32.78 5.54,32.6 5.46,32.45 5.36,32.32 5.25,32.19 5.13,32.05 5.01,31.9 4.89,31.73 4.77,31.51 5.79,30.46 6.8,31.51 6.68,31.73 6.56,31.9 6.44,32.05 6.32,32.19 6.21,32.32 6.12,32.45 6.03,32.6 5.97,32.78 5.93,33 5.91,33.27
col0 on Top: 5.91,47.83 5.93,48.09 5.97,48.31 6.03,48.49 6.12,48.64 6.21,48.78 6.32,48.91 6.44,49.04 6.56,49.19 6.68,49.37 6.8,49.58 5.79,50.63 4.77,49.58 4.89,49.37 5.01,49.19 5.13,49.04 5.25,48.91 5.36,48.78 5.46,48.64 5.54,48.49 5.6,48.31 5.64,48.09 5.66,47.83
col0 on Top: 5.66,52.32 5.64,52.05 5.6,51.83 5.54,51.65 5.46,51.5 5.36,51.37 5.25,51.24 5.13,51.1 5.01,50.95 4.89,50.78 4.77,50.56 5.79,49.51 6.8,50.56 6.68,50.78 6.56,50.95 6.44,51.1 6.32,51.24 6.21,51.37 6.12,51.5 6.03,51.65 5.97,51.83 5.93,52.05 5.91,52.32
col0 on Top: 5.91,66.88 5.93,67.14 5.97,67.36 6.03,67.54 6.12,67.69 6.21,67.83 6.32,67.96 6.44,68.09 6.56,68.24 6.68,68.42 6.8,68.63 5.79,69.68 4.77,68.63 4.89,68.42 5.01,68.24 5.13,68.09 5.25,67.96 5.36,67.83 5.46,67.69 5.54,67.54 5.6,67.36 5.64,67.14 5.66,66.88
col0 on Bottom: 5.99,33.29 5.85,33.05 5.72,32.84 5.6,32.67 5.48,32.53 5.27,32.27 5.17,32.13 5.06,31.98 4.94,31.8 4.81,31.58 5.77,30.46 6.81,31.49 6.7,31.69 6.58,31.86 6.46,32.02 6.33,32.17 6.22,32.31 6.14,32.45 6.09,32.6 6.08,32.76 6.11,32.95 6.21,33.17
col1 on Top: 24.96,66.88 24.98,67.14 25.02,67.36 25.08,67.54 25.17,67.69 25.26,67.83 25.37,67.96 25.49,68.09 25.61,68.24 25.73,68.42 25.85,68.63 24.84,69.68 23.82,68.63 23.94,68.42 24.06,68.24 24.18,68.09 24.3,67.96 24.41,67.83 24.51,67.69 24.59,67.54 24.65,67.36 24.69,67.14 24.71,66.88
col1 on Top: 24.71,52.32 24.69,52.05 24.65,51.83 24.59,51.65 24.51,51.5 24.41,51.37 24.3,51.24 24.18,51.1 24.06,50.95 23.94,50.78 23.82,50.56 24.84,49.51 25.85,50.56 25.73,50.78 25.61,50.95 25.49,51.1 25.37,51.24 25.26,51.37 25.17,51.5 25.08,51.65 25.02,51.83 24.98,52.05 24.96,52.32
col1 on Top: 24.96,47.83 24.98,48.09 25.02,48.31 25.08,48.49 25.17,48.64 25.26,48.78 25.37,48.91 25.49,49.04 25.61,49.19 25.73,49.37 25.85,49.58 24.84,50.63 23.82,49.58 23.94,49.37 24.06,49.19 24.18,49.04 24.3,48.91 24.41,48.78 24.51,48.64 24.59,48.49 24.65,48.31 24.69,48.09 24.71,47.83
col1 on Top: 24.71,33.27 24.69,33 24.65,32.78 24.59,32.6 24.51,32.45 24.41,32.32 24.3,32.19 24.18,32.05 24.06,31.9 23.94,31.73 23.82,31.51 24.84,30.46 25.85,31.51 25.73,31.73 25.61,31.9 25.49,32.05 25.37,32.19 25.26,32.32 25.17,32.45 25.08,32.6 25.02,32.78 24.98,33 24.96,33.27
col1 on Bottom: 26.33,32.7 26.13,32.52 25.95,32.4 25.78,32.31 25.61,32.27 25.45,32.24 25.28,32.22 25.1,32.21 24.91,32.19 24.7,32.15 24.47,32.08 24.44,30.62 25.9,30.65 25.97,30.89 26.01,31.1 26.03,31.29 26.04,31.47 26.05,31.63 26.08,31.8 26.13,31.97 26.21,32.14 26.34,32.32 26.51,32.52
col2 on Top: 34.5,11.85 34.76,11.83 34.98,11.79 35.16,11.73 35.31,11.64 35.45,11.55 35.58,11.44 35.71,11.32 35.86,11.2 36.04,11.08 36.25,10.96 37.3,11.97 36.25,12.98 36.04,12.87 35.86,12.75 35.71,12.63 35.58,12.51 35.45,12.4 35.31,12.3 35.16,12.22 34.98,12.15 34.76,12.11 34.5,12.1
col2 on Top: 36.61,12.1 36.34,12.11 36.12,12.15 35.94,12.22 35.79,12.3 35.65,12.4 35.53,12.51 35.39,12.63 35.24,12.75 35.06,12.87 34.85,12.98 33.8,11.97 34.85,10.96 35.06,11.08 35.24,11.2 35.39,11.32 35.53,11.44 35.65,11.55 35.79,11.64 35.94,11.73 36.12,11.79 36.34,11.83 36.61,11.85
col2 on Top: 44.01,66.88 44.03,67.14 44.07,67.36 44.13,67.54 44.22,67.69 44.31,67.83 44.42,67.96 44.54,68.09 44.66,68.24 44.78,68.42 44.9,68.63 43.89,69.68 42.87,68.63 42.99,68.42 43.11,68.24 43.23,68.09 43.35,67.96 43.46,67.83 43.56,67.69 43.64,67.54 43.7,67.36 43.74,67.14 43.76,66.88
col2 on Top: 41.64,49.95 41.91,49.93 42.13,49.89 42.31,49.83 42.46,49.74 42.59,49.65 42.72,49.54 42.86,49.42 43.01,49.3 43.18,49.18 43.4,49.06 44.45,50.07 43.4,51.08 43.18,50.97 43.01,50.85 42.86,50.73 42.72,50.61 42.59,50.5 42.46,50.4 42.31,50.32 42.13,50.25 41.91,50.21 41.64,50.2
